# Altium PCB dashcam_cpu_v2.0.PcbDoc (part 3 of 4) (continued)
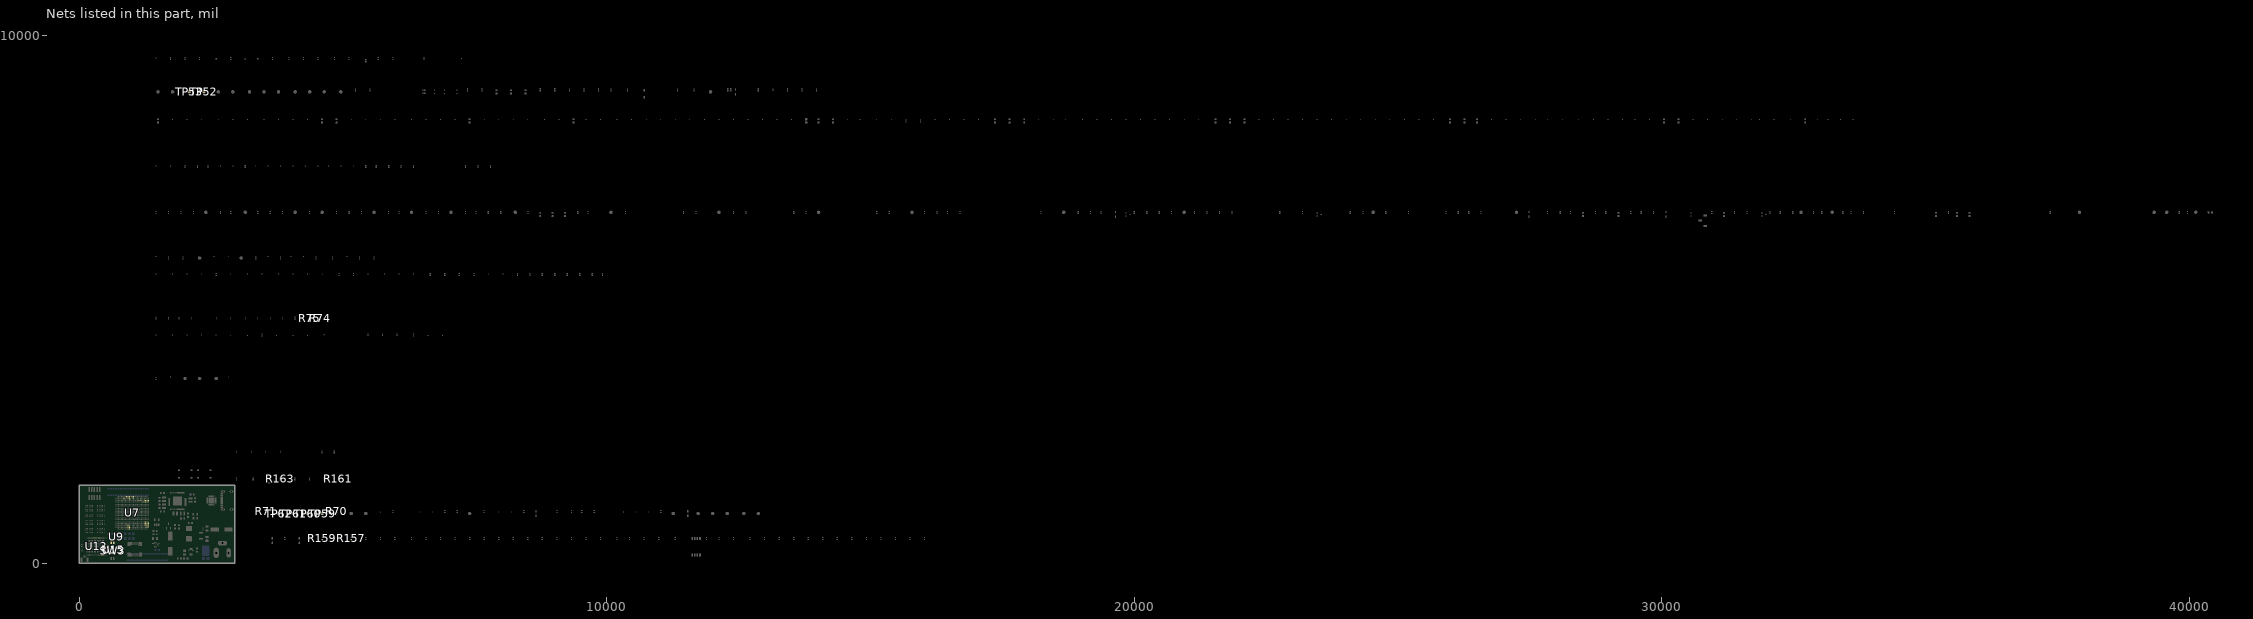
[diagram p3: the nets of this part, all layers, seen from the top]
## Part data (continued)
R100 R101: library part RES_150R_1%_63mW_0402, "SMD Chip Resistor, 150 Ohm, ± 1%, 63 mW, 0402 [1005 Metric], Thick Film, General Purpose", Case Code (Imperial)=0402, Case Code (Metric)=1005, Manufacturer=Bourns, Max Operating Temperature=125°C, Max Power Dissipation=63mW, Min Operating Temperature=-55°C, Package Quantity=1, Power Rating=62.5mW, Resistance=150R, Supplier Part Number 1=CR0402-FX-1500GLFCT-ND, Temperature Coefficient=100ppm/°C, Tolerance=1%, Voltage Rating=50V, Case/Package=0402, Category="Chip SMD Resistors", ComponentLink1Description=https://datasheet.ciiva.com/6549/cr0402-6549772.pdf?src-supplier=Digi-Key, ComponentLink1URL=https://datasheet.ciiva.com/6549/cr0402-6549772.pdf?src-supplier=Digi-Key, ComponentLink2Description=https://datasheet.ciiva.com/6549/cr0402-6549773.pdf?src-supplier=Digi-Key, ComponentLink2URL=https://datasheet.ciiva.com/6549/cr0402-6549773.pdf?src-supplier=Digi-Key, ComponentLink3Description=https://datasheet.ciiva.com/6549/cr0402-6549774.pdf?src-supplier=Digi-Key, ComponentLink3URL=https://datasheet.ciiva.com/6549/cr0402-6549774.pdf?src-supplier=Digi-Key, ComponentLink4Description=https://datasheet.ciiva.com/9120/cr0402-9120460.pdf?src-supplier=Avnet, ComponentLink4URL=https://datasheet.ciiva.com/9120/cr0402-9120460.pdf?src-supplier=Avnet, Contact Plating=Tin, Height=0.016inch, Length=1mm, Manufacturer Part Number=CR0402-FX-1500GLF, Mount="Surface Mount", Number of Terminations=2, Packaging="Tape and Reel", Pricing 1="1=0.1, 10=0.011, 50=0.0064, 100=0.0051, 500=0.00326, 1000=0.00275, 5000=0.0019 (USD)", RoHS=Yes, RoHS Compliant=Yes, Series=CR0402, Stock 1=501068, Supplier 1=Digi-Key, Termination=SMD/SMT, Thickness=356um, Width=0.5mm
R108 R109 R116 R117 R121 R122 R123 R124 R125 R126 R127 R128 R129 R130 R131 R132 R133 R134 R135 R136 R137 R138 R139 R140 R141 R142 R143 R144 R145 R146 R147 R148 R149 R150 R152 R156: library part RES_1K_1%_100mW_0402, "RES SMD 1K OHM 1% 1/10W 0402", Case Code (Imperial)=0402, Case Code (Metric)=1005, Manufacturer=Panasonic, Max Operating Temperature=155°C, Max Power Dissipation=100mW, Min Operating Temperature=-55°C, Package Quantity=1, Resistance=1K, Resistance Tolerance=1%, Resistor Type="Thick Film", Supplier Part Number 1=P1.00KLCT-ND, Temperature Coefficient=100ppm/°C, Voltage Rating=50V, Case/Package=0402, Category="Chip SMD Resistors", Construction=Rectangular, Contact Plating=Tin, Depth=0.5mm, Features="Automotive AEC-Q200", Height=0.35mm, Lead Free="Lead Free", Length=1mm, Manufacturer Part Number=ERJ-2RKF1001X, Military Standard=Not, Mount="Surface Mount", Number of Pins=2, Number of Terminations=2, Packaging="Tape and Reel", Power Rating=100mW, Pricing 1="1=0.1, 10=0.029, 50=0.0162, 100=0.0119, 500=0.00728, 1000=0.00535, 5000=0.00384 (USD)", Reach SVHC Compliant=Yes, RoHS=Yes, RoHS Compliant=Yes, Series=ERJ, Stock 1=2367361, Supplier 1=Digi-Key, Technology="THICK FILM", Termination=SMD/SMT, Tolerance=1%, Voltage Rating (DC)=50V, Width=0.5mm
R114 R115: library part RES_5.1K_1%_100mW_0603, "SMD Chip Resistor, 5.1 kOhm, ± 1%, 100 mW, 0603 [1608 Metric], Thick Film, General Purpose", Case Code (Imperial)=0603, Case Code (Metric)=1608, Manufacturer=Yageo, Max Operating Temperature=155°C, Max Power Dissipation=100mW, Min Operating Temperature=-55°C, Package Quantity=1, Resistance=5.1K, Resistance Tolerance=1%, Resistor Type="Thick Film", Supplier Part Number 1=311-5.10KHRCT-ND, Temperature Coefficient=100ppm/°C, Voltage Rating=50V, Case/Package=0603, Category="Chip SMD Resistors", ComponentLink1Description=https://datasheet.ciiva.com/15189/getdatasheetpartid-326732-15189786.pdf?src-supplier=Verical, ComponentLink1URL=https://datasheet.ciiva.com/15189/getdatasheetpartid-326732-15189786.pdf?src-supplier=Verical, ComponentLink2Description=https://datasheet.ciiva.com/46395/443971-46395016.pdf?src-supplier=Element14, ComponentLink2URL=https://datasheet.ciiva.com/46395/443971-46395016.pdf?src-supplier=Element14, ComponentLink3Description=https://datasheet.ciiva.com/2454/pyu-r-int-thick-7-2454045.pdf?src-supplier=Digi-Key, ComponentLink3URL=https://datasheet.ciiva.com/2454/pyu-r-int-thick-7-2454045.pdf?src-supplier=Digi-Key, ComponentLink4Description=https://datasheet.ciiva.com/2454/pyu-r-int-thick-7-2454046.pdf?src-supplier=Digi-Key, ComponentLink4URL=https://datasheet.ciiva.com/2454/pyu-r-int-thick-7-2454046.pdf?src-supplier=Digi-Key, ComponentLink5Description=https://datasheet.ciiva.com/2454/pyu-r-int-thick-7-2454047.pdf?src-supplier=Digi-Key, ComponentLink5URL=https://datasheet.ciiva.com/2454/pyu-r-int-thick-7-2454047.pdf?src-supplier=Digi-Key, Construction=Rectangular, Depth=0.8mm, Features="Moisture Resistant", Height=0.022inch, Lead Free="Lead Free", Length=0.063inch, Manufacturer Part Number=RC0603FR-075K1L, Military Standard=Not, Number of Pins=2, Number of Terminations=2, Packaging="Tape and Reel", Power Rating=100mW, Pricing 1="1=0.1, 10=0.018, 50=0.0106, 100=0.0088, 500=0.00592, 1000=0.00505 (USD)", Reach SVHC Compliant=No, RoHS=Yes, RoHS Compliant=Yes, Series=RC, Size Code=0603, Stock 1=3197702, Supplier 1=Digi-Key, Termination=SMD/SMT, Tolerance=1%, Voltage Rating (DC)=50V, Width=0.031inch
R120: library part RES_12K_1%_100mW_0402, "Res Thick Film 0402 12K Ohm 1% 0.1W(1/10W) +/-100ppm/C Molded SMD Automotive Punched T/R", Case Code (Imperial)=0402, Case Code (Metric)=1005, Manufacturer=Panasonic, Max Operating Temperature=155°C, Max Power Dissipation=100mW, Min Operating Temperature=-55°C, Package Quantity=1, Resistance=12K, Resistance Tolerance=1%, Resistor Type="Thick Film", Supplier Part Number 1=667-ERJ-2RKF1202X, Temperature Coefficient=100ppm/°C, Voltage Rating=50V, Case/Package=0402, Category="Chip SMD Resistors", ComponentLink1Description=https://datasheet.ciiva.com/7944/aoa0000ce2-7944604.pdf?src-supplier=Element14, ComponentLink1URL=https://datasheet.ciiva.com/7944/aoa0000ce2-7944604.pdf?src-supplier=Element14, ComponentLink2Description=https://datasheet.ciiva.com/7944/426256-7944939.pdf?src-supplier=Element14, ComponentLink2URL=https://datasheet.ciiva.com/7944/426256-7944939.pdf?src-supplier=Element14, ComponentLink3Description=https://datasheet.ciiva.com/46373/1678782-46373164.pdf?src-supplier=Element14, ComponentLink3URL=https://datasheet.ciiva.com/46373/1678782-46373164.pdf?src-supplier=Element14, ComponentLink4Description=https://datasheet.ciiva.com/22673/1678782-22673676.pdf?src-supplier=Element14, ComponentLink4URL=https://datasheet.ciiva.com/22673/1678782-22673676.pdf?src-supplier=Element14, ComponentLink5Description=https://datasheet.ciiva.com/22687/1678782-22687405.pdf?src-supplier=Element14, ComponentLink5URL=https://datasheet.ciiva.com/22687/1678782-22687405.pdf?src-supplier=Element14, ComponentLink6Description=https://datasheet.ciiva.com/46373/1678782-46373165.pdf?src-supplier=Element14, ComponentLink6URL=https://datasheet.ciiva.com/46373/1678782-46373165.pdf?src-supplier=Element14, Construction=Rectangular, Contact Plating=Tin, Depth=0.5mm, Features="Automotive AEC-Q200", Height=0.35mm, Lead Free=5697LeadFree, Length=1mm, Manufacturer Part Number=ERJ-2RKF1202X, Military Standard=Not, Mount="Surface Mount", Number of Pins=2, Number of Terminations=2, Packaging="Tape and Reel", Power Rating=100mW, Pricing 1="1=0.1, 10=0.017, 50=0.017, 100=0.008, 1000=0.006, 10000=0.003 (USD)", Reach SVHC Compliant=No, RoHS=Yes, RoHS Compliant=Yes, Series=ERJ, Size Code=0402, Stock 1=301526, Supplier 1=Mouser, Technology="THICK FILM", Termination=SMD/SMT, Tolerance=1%, Voltage Rating (DC)=50V, Width=0.5mm
R151 R153 R154 R155: library part RES_4.7K_1%_100mW_0402, "Res Thick Film 0402 4.7K Ohm 1% 0.1W ±100ppm/°C Molded SMD Punched Carrier T/R", Case Code (Imperial)=0402, Case Code (Metric)=1005, Manufacturer=Panasonic, Max Operating Temperature=155°C, Min Operating Temperature=-55°C, Package Quantity=10000, Power Rating=100mW, Resistance=4.7K, Supplier Part Number 1=P4.70KLCT-ND, Temperature Coefficient=100ppm/°C, Tolerance=1%, Voltage Rating=50V, Category="Chip SMD Resistors", ComponentLink1Description=https://datasheet.ciiva.com/30053/aoa0000ce2-30053990.pdf?src-supplier=Onlinecomponents.com, ComponentLink1URL=https://datasheet.ciiva.com/30053/aoa0000ce2-30053990.pdf?src-supplier=Onlinecomponents.com, ComponentLink2Description=https://datasheet.ciiva.com/7830/aoa0000ce2-7830727.pdf?src-supplier=Element14, ComponentLink2URL=https://datasheet.ciiva.com/7830/aoa0000ce2-7830727.pdf?src-supplier=Element14, ComponentLink3Description=https://datasheet.ciiva.com/22781/1678782-22781576.pdf?src-supplier=Farnell, ComponentLink3URL=https://datasheet.ciiva.com/22781/1678782-22781576.pdf?src-supplier=Farnell, ComponentLink4Description=https://datasheet.ciiva.com/22667/1678782-22667886.pdf?src-supplier=Element14, ComponentLink4URL=https://datasheet.ciiva.com/22667/1678782-22667886.pdf?src-supplier=Element14, ComponentLink5Description=https://datasheet.ciiva.com/22723/1678782-22723903.pdf?src-supplier=Element14, ComponentLink5URL=https://datasheet.ciiva.com/22723/1678782-22723903.pdf?src-supplier=Element14, Height=0.35mm, Lead Free="Lead Free", Length=1mm, Manufacturer Part Number=ERJ-2RKF4701X, Packaging="Cut Tape", Pricing 1="1=0.1, 10=0.024, 50=0.015, 100=0.0125, 500=0.00848, 1000=0.00731, 5000=0.00531 (USD)", RoHS=Yes, RoHS Compliant=Yes, Series=ERJ-2Rx, Stock 1=2269675, Supplier 1=Digi-Key, Technology="THICK FILM", Termination=SMD/SMT, Voltage Rating (DC)=50V, Weight=0.000388oz, Width=0.5mm
S1 S2: library part SWITCH_NO_SPST_0.05A, "Switch Tactile N.O. SPST Round Button Gull Wing 0.05A 12VDC 200000Cycles 2.55N SMD T/R", Manufacturer="ITT C&K", Supplier Part Number 1=CKN12221-6-ND, Category=Uncategorized, Manufacturer Part Number=PTS526SK15SMTR2LFS, Pricing 1="1=0.12, 10=0.12, 25=0.114, 100=0.1035, 250=0.09732, 500=0.08904, 1000=0.07454 (USD)", RoHS=No, Stock 1=382158, Supplier 1=Digi-Key
SW1: library part SWITCH_SPDT_300mA_6V_JS102011JCQN, "SWITCH SLIDE SPDT 300MA 6V", Manufacturer="ITT C&K", Max Operating Temperature=85°C, Min Operating Temperature=-40°C, Supplier Part Number 1=CKN10721CT-ND, Voltage Rating (DC)=6V, Actuator Length=2mm, Actuator Material=Nylon,Polyamide,PA46, Actuator Type=Standard, Category="Slide Switches", ComponentLink1Description=http://www.farnell.com/datasheets/2674788.pdf?src-supplier=Farnell, ComponentLink1URL=http://www.farnell.com/datasheets/2674788.pdf?src-supplier=Farnell, ComponentLink2Description=http://www.farnell.com/datasheets/2674788.pdf?src-supplier=Element14, ComponentLink2URL=http://www.farnell.com/datasheets/2674788.pdf?src-supplier=Element14, ComponentLink3Description=https://datasheet.octopart.com/JS102011JCQN-C%26K-Components-datasheet-67873653.pdf?src-supplier=Newark, ComponentLink3URL=https://datasheet.octopart.com/JS102011JCQN-C%26K-Components-datasheet-67873653.pdf?src-supplier=Newark, ComponentLink4Description=http://www.farnell.com/datasheets/2674788.pdf?src-supplier=Newark, ComponentLink4URL=http://www.farnell.com/datasheets/2674788.pdf?src-supplier=Newark, ComponentLink5Description=https://www.ckswitches.com/media/1422/js.pdf?src-supplier=Digikey, ComponentLink5URL=https://www.ckswitches.com/media/1422/js.pdf?src-supplier=Digikey, ComponentLink6Description=https://datasheet.octopart.com/JS102011JCQN-C%26K-Components-datasheet-138126065.pdf?src-supplier=TME, ComponentLink6URL=https://datasheet.octopart.com/JS102011JCQN-C%26K-Components-datasheet-138126065.pdf?src-supplier=TME, Contact Material="Copper Alloy", Contact Plating=Silver, Electrical Life=5000Cycles, Manufacturer Part Number=JS102011JCQN, Mount="Surface Mount", Packaging="Cut Tape", Pricing 1="1=0.94, 10=0.903, 25=0.8444, 100=0.7331, 250=0.66708, 500=0.61844 (USD)", RoHS=Yes, Series=JS, Stock 1=40877, Supplier 1=Digikey, Switch Function=On-On, Switch Travel=2mm, Throw Configuration=SPDT
SW2: library part SWITCH_DIP_4P_25mA_218-4LPSTR, "Switch DIP ON OFF SPST 4 Recessed Slide 0.025A 24VDC Gull Wing 1000Cycles 1.27mm SMD T/R", Manufacturer=CTS, Max Current Rating=25mA, Max Operating Temperature=85°C, Max Voltage Rating (DC)=24V, Min Operating Temperature=-55°C, Package Quantity=2000, Supplier Part Number 1=CT3110CT-ND, Actuator Type="Slide (Standard)", Category="DIP Switches", ComponentLink1Description=https://datasheet.ciiva.com/8676/218-8676896.pdf?src-supplier=Avnet, ComponentLink1URL=https://datasheet.ciiva.com/8676/218-8676896.pdf?src-supplier=Avnet, ComponentLink2Description=https://datasheet.ciiva.com/8082/218-8082342.pdf?src-supplier=Avnet, ComponentLink2URL=https://datasheet.ciiva.com/8082/218-8082342.pdf?src-supplier=Avnet, ComponentLink3Description=https://datasheet.ciiva.com/16303/218-16303941.pdf?src-supplier=Future+Electronics, ComponentLink3URL=https://datasheet.ciiva.com/16303/218-16303941.pdf?src-supplier=Future+Electronics, ComponentLink4Description=https://datasheet.ciiva.com/15184/getdatasheetpartid-141001-15184860.pdf?src-supplier=Verical, ComponentLink4URL=https://datasheet.ciiva.com/15184/getdatasheetpartid-141001-15184860.pdf?src-supplier=Verical, Contact Material=Copper, Contact Plating=Gold, Depth=8.44mm, Electrical Life=1000Cycles, Lead Free="Lead Free", Length=6.25mm, Manufacturer Part Number=218-4LPSTR, Mechanical Life=1000Cycles, Mount="Surface Mount", Number of Positions=4, Orientation=Straight, Packaging="Tape and Reel", Pricing 1="1=1.08, 10=1.041, 25=0.978, 100=0.8449, 250=0.76996, 500=0.71586, 1000=0.66592 (USD)", Radiation Hardening=No, RoHS=Yes, RoHS Compliant=Yes, Series=218, Stock 1=12605, Supplier 1=Digi-Key, Termination="Gull Wing", Throw Configuration=SPST, Voltage Rating (DC)=24V, Washable=Yes
SW3: library part SWITCH_DIP_2P_25mA_218-2LPSTR, "Switch DIP ON OFF SPST 2 Recessed Slide 0.025A 24VDC Gull Wing 1000Cycles 1.27mm SMD T/R", Current Rating=25mA, Manufacturer=CTS, Max Operating Temperature=85°C, Min Operating Temperature=-55°C, Package Quantity=2000, Supplier Part Number 1=CT3108CT-ND, Voltage Rating (DC)=24V, Actuator Type="Slide (Standard)", Category="DIP Switches", ComponentLink1Description=https://datasheet.ciiva.com/2865/218-2865152.pdf?src-supplier=Digi-Key, ComponentLink1URL=https://datasheet.ciiva.com/2865/218-2865152.pdf?src-supplier=Digi-Key, ComponentLink2Description=https://datasheet.ciiva.com/29890/218-29890939.pdf?src-supplier=Avnet, ComponentLink2URL=https://datasheet.ciiva.com/29890/218-29890939.pdf?src-supplier=Avnet, ComponentLink3Description=https://datasheet.ciiva.com/15184/getdatasheetpartid-224320-15184939.pdf?src-supplier=Verical, ComponentLink3URL=https://datasheet.ciiva.com/15184/getdatasheetpartid-224320-15184939.pdf?src-supplier=Verical, Contact Material=Copper, Contact Plating=Gold, Depth=8.44mm, Electrical Life=1000Cycles, Lead Free="Lead Free", Length=0.146inch, Manufacturer Part Number=218-2LPSTR, Max Current Rating=25mA, Mount="Surface Mount", Number of Positions=2, Orientation=Straight, Packaging="Tape and Reel", Pitch=0.05inch, Pricing 1="1=0.97, 10=0.93, 25=0.8692, 100=0.7548, 250=0.6868, 500=0.6367, 1000=0.59021 (USD)", Radiation Hardening=No, RoHS=Yes, RoHS Compliant=Yes, Series=218, Stock 1=31125, Supplier 1=Digi-Key, Termination="Gull Wing", Throw Configuration=SPST, Washable=Yes
TP1 TP2 TP3 TP4 TP5 TP6 TP7 TP8 TP9 TP10 TP11 TP12 TP13 TP14 TP15 TP16 TP17 TP18 TP19 TP20 TP21 TP22 TP23 TP24 TP25 TP26 TP27 TP28 TP29 TP30 TP31 TP32 TP33 TP34 TP35 TP36 TP42 TP43 TP44 TP45 TP46 TP47 TP48 TP49 TP50 TP51 TP52 TP53 TP54 TP55 TP57 TP58 TP59 TP60 TP61 TP62: library part TP_PAD_SMD_Round, "Test Point, SMD pad, round, 1.5mm, 1.6mm, 3mm diameter"
TP37 TP38 TP39 TP40 TP41 TP56: library part TP_PAD_SMD_SMALL, "Test Point, SMD pad, round, 1.5mm, 1.6mm, 3mm diameter"
U1: library part IC_REG_BUCK_26V_8A_MP8759GD-Z, "Tape & Reel (TR) Active Step-Down Buck DC to DC switching regulator 26V 8A 700kHz -40C~125C TJ", Case/Package=QFN, Manufacturer="Monolithic Power Systems", Max Input Voltage=26V, Max Operating Temperature=125°C, Max Output Current=10A, Min Input Voltage=4.5V, Min Operating Temperature=-40°C, Output Voltage=600mV, Supplier Part Number 1=1589-1736-1-ND, Switching Frequency=700kHz, Category="Voltage Regulators - Switching", ComponentLink1Description=https://www.monolithicpower.com/pub/media/document/MP8759_r1.1.pdf?src-supplier=Digi-Key, ComponentLink1URL=https://www.monolithicpower.com/pub/media/document/MP8759_r1.1.pdf?src-supplier=Digi-Key, ComponentLink2Description=https://datasheet.octopart.com/MP8759GD-Z-Monolithic-Power-Systems-datasheet-104200629.pdf?src-supplier=SHENGYU+ELECTRONICS, ComponentLink2URL=https://datasheet.octopart.com/MP8759GD-Z-Monolithic-Power-Systems-datasheet-104200629.pdf?src-supplier=SHENGYU+ELECTRONICS, ComponentLink3Description=https://datasheet.octopart.com/MP8759GD-Z-Monolithic-Power-Systems-datasheet-155982220.pdf?src-supplier=Monolithic+Power+Systems, ComponentLink3URL=https://datasheet.octopart.com/MP8759GD-Z-Monolithic-Power-Systems-datasheet-155982220.pdf?src-supplier=Monolithic+Power+Systems, Contact Plating=Tin,Matte, Manufacturer Part Number=MP8759GD-Z, Mount="Surface Mount", Number of Outputs=1, Number of Pins=14, Operating Supply Voltage=26V, Output Type=Adjustable, Pricing 1="1=2.71, 10=2.436, 25=2.2976, 100=1.9577, 250=1.8382, 500=1.60842, 1000=1.3327, 2500=1.24078 (USD)", RoHS=Yes, RoHS Compliant=Yes, Stock 1=455, Supplier 1=Digi-Key
U2: library part IC_REG_LDO_5.5V_0.15A_LDCL015MR, "LDO Regulator Pos 0.8V to 5.5V 0.15A 5-Pin SOT-23 T/R", Case/Package=SOT-23, Dropout Voltage=50mV, Manufacturer=STMicroelectronics, Max Input Voltage=5.5V, Max Operating Temperature=125°C, Max Output Current=150mA, Max Output Voltage=5.4V, Min Input Voltage=1.8V, Min Operating Temperature=-40°C, Min Output Voltage=800mV, Power Supply Rejection Ratio (PSRR)=51dB, Quiescent Current=160uA, Supplier Part Number 1=497-12085-1-ND, Accuracy=2%, Category="Voltage Regulators - Linear", ComponentLink1Description=https://datasheet.ciiva.com/22651/1827871-22651045.pdf?src-supplier=Element14, ComponentLink1URL=https://datasheet.ciiva.com/22651/1827871-22651045.pdf?src-supplier=Element14, ComponentLink2Description=https://datasheet.ciiva.com/4885/dm00037343-99499-4885392.pdf?src-supplier=Mouser, ComponentLink2URL=https://datasheet.ciiva.com/4885/dm00037343-99499-4885392.pdf?src-supplier=Mouser, ComponentLink3Description=https://datasheet.ciiva.com/41439/001184664-da-01-en-ic-reg-ldo-adj-0-ldcl015mr-sot-23-5-stm-41439787.pdf?src-supplier=Conrad, ComponentLink3URL=https://datasheet.ciiva.com/41439/001184664-da-01-en-ic-reg-ldo-adj-0-ldcl015mr-sot-23-5-stm-41439787.pdf?src-supplier=Conrad, ComponentLink4Description=https://datasheet.ciiva.com/2045/dm00037343-2045558.pdf?src-supplier=Digi-Key, ComponentLink4URL=https://datasheet.ciiva.com/2045/dm00037343-2045558.pdf?src-supplier=Digi-Key, ComponentLink5Description=https://datasheet.ciiva.com/2045/dm00037343-2045559.pdf?src-supplier=Digi-Key, ComponentLink5URL=https://datasheet.ciiva.com/2045/dm00037343-2045559.pdf?src-supplier=Digi-Key, ComponentLink6Description=https://datasheet.ciiva.com/2045/dm00037343-2045560.pdf?src-supplier=Digi-Key, ComponentLink6URL=https://datasheet.ciiva.com/2045/dm00037343-2045560.pdf?src-supplier=Digi-Key, Height=1.3mm, Lead Free="Lead Free", Length=2.95mm, Manufacturer Part Number=LDCL015MR, Mount="Surface Mount", Number of Outputs=1, Number of Pins=5, Number of Regulators=1, Output Configuration=Positive, Output Current=150mA, Output Type=Adjustable, Output Voltage=800mV, Packaging="Tape and Reel", Polarity=Positive, Pricing 1="1=1.51, 10=1.351, 25=1.282, 100=1.0532, 250=0.98452, 500=0.87004, 1000=0.68688 (USD)", Reach SVHC Compliant=No, Reference Voltage=800mV, RoHS=Yes, RoHS Compliant=Yes, Series=-, Stock 1=49636, Supplier 1=Digi-Key, Width=1.6mm
U3: library part IC_VOLTAGE_SUPERVISOR_UM805RE, "Supervisor Open Drain or Open Collector 1 Channel SOT-143", Manufacturer="Union Semiconductor International Limited", Category="Integrated Circuit", ComponentLink1Description="Suplier link", ComponentLink1URL=https://www.digikey.com/en/products/detail/union-semiconductor-international-limited/UM805RE/21265144?s=N4IgTCBcDaIKoFkAcAGArAJQKIgLoF8g, Manufacturer Part Number=UM805RE
U4 U5: library part IC_REG_BUCK_0V9_4A_MP2147GD-P, "IC Reg Buck Adjustable 4A 12QFN", Case/Package=QFN, Manufacturer="Monolithic Power Systems", Max Input Voltage=5.5V, Max Operating Temperature=125°C, Max Output Current=4A, Min Input Voltage=2.8V, Min Operating Temperature=-40°C, Min Output Voltage=600mV, Operating Supply Current=40uA, Package Quantity=500, Supplier Part Number 1=1589-MP2147GD-PCT-ND, Switching Frequency=1.2MHz, Category="Voltage Regulators - Switching", ComponentLink1Description=http://www.mouser.com/ds/2/277/MP2147_r1.1-523188.pdf?src-supplier=Mouser, ComponentLink1URL=http://www.mouser.com/ds/2/277/MP2147_r1.1-523188.pdf?src-supplier=Mouser, ComponentLink2Description=https://www.monolithicpower.com/pub/media/document/MP2147_r1.1.pdf?src-supplier=Digi-Key, ComponentLink2URL=https://www.monolithicpower.com/pub/media/document/MP2147_r1.1.pdf?src-supplier=Digi-Key, ComponentLink3Description=http://www.monolithicpower.com/DesktopModules/DocumentManage/API/Document/GetDocument?id=2970&src-supplier=Avnet, ComponentLink3URL=http://www.monolithicpower.com/DesktopModules/DocumentManage/API/Document/GetDocument?id=2970&src-supplier=Avnet, ComponentLink4Description=https://datasheet.octopart.com/MP2147GD-P-Monolithic-Power-Systems-datasheet-155982077.pdf?src-supplier=Monolithic+Power+Systems, ComponentLink4URL=https://datasheet.octopart.com/MP2147GD-P-Monolithic-Power-Systems-datasheet-155982077.pdf?src-supplier=Monolithic+Power+Systems, Manufacturer Part Number=MP2147GD-P, Max Output Voltage=5.5V, Mount="Surface Mount", Number of Outputs=1, Number of Pins=12, Operating Supply Voltage=5.5V, Output Configuration=Positive, Output Current=4A, Output Type=Adjustable, Output Voltage=5.5V, Packaging="Tape and Reel", Pricing 1="1=5.09, 10=4.567, 25=4.3176, 100=3.742, 250=3.55016 (USD)", Radiation Hardening=No, RoHS=Yes, Series=-, Stock 1=1866, Supplier 1=Digi-Key, Synchronous Rectifier=Yes, Weight=0.000776oz
U6: library part IC_PMIC_NXP_MC34PF4210A1ES, "Step Up DC-DC Converter with LDO Regulator 13-OUT 56-Pin QFN Tray", Manufacturer="NXP Semiconductors", Supplier Part Number 1=771-MC34PF4210A1ES, Category="Power Management ICs", Manufacturer Part Number=MC34PF4210A1ES, Pricing 1="1=10.48, 10=9.47, 25=8.72, 50=8.72, 100=7.87, 260=7.34, 520=6.84, 1000=6.84, 1040=6.18, 10000=6.18 (USD)", RoHS=Yes, RoHS Compliant=Yes, Stock 1=24, Supplier 1=Mouser
U7: library part IC_MPU_ARM_1.5GHZ_MIMX8MD6DVAJZAB, "i.MX 8M: Cortex-A53 up to 1.5GHz and Cortex-M4 / TRAY TRAY MULTIPLE DP BAKEABLE RoHS Compliant: Yes", Manufacturer="NXP Semiconductors", Supplier Part Number 1=568-14717-ND, Category=Microprocessors, Manufacturer Part Number=MIMX8MD6DVAJZAB, Pricing 1="1=56.07, 10=46.184, 25=43.716, 90=41.175 (USD)", RoHS=Yes, RoHS Compliant=Yes, Stock 1=162, Supplier 1=Digikey
U8 U16: library part IC_VOLTAGE_SUPERVISOR_UM803RS, "3-Pin Microprocessor Reset Circuits", Manufacturer="Union Semiconductor", Manufacturer Part Number=UM803RS, Pricing 1="1=0.1121 (USD)", RoHS=No, Stock 1=2840, Supplier 1="Arrow Electronics", Supplier Part Number 1=UM803RS
U9: library part IC_LEVEL_TRASLATOR_NTS0104GU12,115, "NTS0104 Series 50 Mbps Dual Supply 3-ST O-DRN Translating Transceiver- XQFN-12", High Level Output Current=-20uA, Low Level Output Current=1mA, Manufacturer="NXP Semiconductors", Max Operating Temperature=125°C, Max Power Dissipation=250mW, Max Supply Voltage=5.5V, Min Operating Temperature=-40°C, Min Supply Voltage=1.65V, Package Quantity=1, Quiescent Current=45uA, Supplier Part Number 1=568-8408-1-ND, Category="Voltage Level Shifters", ComponentLink1Description=https://datasheet.ciiva.com/1899/nts0104-1899088.pdf?src-supplier=Digikey, ComponentLink1URL=https://datasheet.ciiva.com/1899/nts0104-1899088.pdf?src-supplier=Digikey, ComponentLink2Description=https://datasheet.ciiva.com/4834/nts0104-92130-4834865.pdf?src-supplier=Mouser, ComponentLink2URL=https://datasheet.ciiva.com/4834/nts0104-92130-4834865.pdf?src-supplier=Mouser, ComponentLink3Description=https://datasheet.ciiva.com/1899/nts0104-1899089.pdf?src-supplier=Digikey, ComponentLink3URL=https://datasheet.ciiva.com/1899/nts0104-1899089.pdf?src-supplier=Digikey, ComponentLink4Description=https://datasheet.ciiva.com/1899/nts0104-1899090.pdf?src-supplier=Digikey, ComponentLink4URL=https://datasheet.ciiva.com/1899/nts0104-1899090.pdf?src-supplier=Digikey, ComponentLink5Description=https://datasheet.ciiva.com/8244/nts0104-8244168.pdf?src-supplier=Avnet, ComponentLink5URL=https://datasheet.ciiva.com/8244/nts0104-8244168.pdf?src-supplier=Avnet, Data Rate=50Mbps, Lead Free="Lead Free", Logic Function=Translator, Manufacturer Part Number=NTS0104GU12,115, Mount="Surface Mount", Number of Bits=4, Number of Channels=4, Number of Pins=12, Output Type=Voltage, Packaging="Tape and Reel", Pricing 1="1=1.16, 10=1.034, 25=0.982, 100=0.8065, 250=0.75396, 500=0.66628, 1000=0.52601 (USD)", Propagation Delay=4.4ns, RoHS=Yes, RoHS Compliant=Yes, Series=-, Stock 1=126626, Supplier 1=Digikey, Turn-On Delay Time=5.8ns
U10: library part IC_DRAM_32G_MT53E1G32D2FW-046WT:A, "LPDDR4 32G 1GX32 FBGA DDP", Manufacturer="Micron Technology", Supplier Part Number 1=557-MT53E1G32D2FW-046WT:A-ND, Manufacturer Part Number=MT53E1G32D2FW-046WT:A, Pricing 1="1=26.73, 10=24.892, 25=24.6252, 50=24.0178, 100=21.0842, 250=20.37296, 500=19.82474 (USD)", RoHS=No, Stock 1=1349, Supplier 1=Digikey
U11: library part IC_MEMORY_eMMC_SDINBDG4-32G-I1, "Inand 7250 32GB Industrial Wide Temp -25C+85C EMMC5.1 HS400", Manufacturer=SanDisk, Supplier Part Number 1=467-SDINBDG4-32G-I1, Category=Uncategorized, Manufacturer Part Number=SDINBDG4-32G-I1, Pricing 1="1=26.46, 10=24.64, 50=23.78, 100=20.87, 1000=20.16, 10000=20.16 (USD)", RoHS=No, RoHS Compliant=No, Stock 1=1018, Supplier 1=Mouser
U12: library part IC_USB_UART_CP2105-F01-GM, "IC SGL USB-DL UART BRIDGE 24QFN", Case/Package=QFN, Manufacturer="Silicon Labs", Max Operating Temperature=85°C, Max Supply Voltage=3.6V, Min Operating Temperature=-40°C, Min Supply Voltage=3V, Operating Supply Current=17mA, Operating Supply Voltage=3.3V, Package Quantity=91, Supplier Part Number 1=336-2009-5-ND, Category="USB Interface ICs", ComponentLink1Description=https://datasheet.ciiva.com/25624/0900766b811077c5-25624105.pdf?src-supplier=Rs, ComponentLink1URL=https://datasheet.ciiva.com/25624/0900766b811077c5-25624105.pdf?src-supplier=Rs, ComponentLink2Description=https://datasheet.ciiva.com/1784/cp2105-1784466.pdf?src-supplier=Digi-Key, ComponentLink2URL=https://datasheet.ciiva.com/1784/cp2105-1784466.pdf?src-supplier=Digi-Key, ComponentLink3Description=https://datasheet.ciiva.com/3148/cp2105-3148817.pdf?src-supplier=Avnet, ComponentLink3URL=https://datasheet.ciiva.com/3148/cp2105-3148817.pdf?src-supplier=Avnet, ComponentLink4Description=https://datasheet.ciiva.com/26815/getdatasheetpartid-358512-26815926.pdf?src-supplier=Verical, ComponentLink4URL=https://datasheet.ciiva.com/26815/getdatasheetpartid-358512-26815926.pdf?src-supplier=Verical, Contact Plating=Tin,Matte, Data Rate=12Mbps, Height=0.75mm, Length=4mm, Manufacturer Part Number=CP2105-F01-GM, Number of Channels=1, Number of Pins=24, Number of Transceivers=1, Packaging=Rail/Tube, Pricing 1="1=5.17, 10=4.639, 25=4.386, 100=3.8011, 250=3.6062, 500=3.23584, 1000=2.72902, 2500=2.59257 (USD)", Radiation Hardening=No, RoHS=Yes, RoHS Compliant=Yes, Series=-, Stock 1=3004, Supplier 1=Digi-Key, Weight=0.001368oz, Width=4mm
U13: library part IC_WIFI_BLE_LBEE5QD1ZM-572, "2.4 to 5.825GHz Bluetooth WiFi 802.11a/b/g/-c, Bluetooth v5.1 Transceiver Module", Manufacturer=Murata, Manufacturer_Name="Murata Electronics", Mouser Part Number=81-LBEE5QD1ZM-572, Arrow Part Number=LBEE5QD1ZM-572, Arrow Price/Stock=https://www.arrow.com/en/products/lbee5qd1zm-572/murata-manufacturing?region=nac, Datasheet Link=https://pl.mouser.com/datasheet/2/281/1/murata_type1zm-2006876.pdf, Height=1.345mm, Manufacturer Part Number=LBEE5QD1ZM-572, Manufacturer_Part_Number=LBEE5QD1ZM-572, Mouser Price/Stock=https://www.mouser.co.uk/ProductDetail/Murata-Electronics/LBEE5QD1ZM-572?qs=stqOd1AaK79ZX7AUUzAj%2FQ%3D%3D, Pricing="1=17.82, 10=16.11, 25=14.82, 50=14.48, 100=13.43, 250=12.74, 500=11.95, 1000=11.35, 10000=11.35 (USD)", RoHS=No, Stock=926, Supplier=Mouser, Supplier Part Number=81-LBEE5QD1ZM-572
U14: library part IC_REG_LDO_1.8V_250mA_LP5907UVX-1.8/NOPB, "Low Dropout Regulators(LDO) Positive Fixed 200mV @ 250mA 5.5V 1.8V 250mA DSBGA-4 RoHS", Case/Package=SMD/SMT, Dropout Voltage=50mV, Manufacturer="Texas Instruments", Max Input Voltage=5.5V, Max Operating Temperature=125°C, Max Output Current=250mA, Max Supply Current=425uA, Min Input Voltage=2.2V, Min Operating Temperature=-40°C, Min Output Voltage=1.8V, Package Quantity=3000, Power Supply Rejection Ratio (PSRR)=60dB, Quiescent Current=25uA, Supplier Part Number 1=296-35634-1-ND, Accuracy=2%, Category="Voltage Regulators - Linear", ComponentLink1Description=https://datasheet.ciiva.com/6597/lp5907-6597398.pdf?src-supplier=Digikey, ComponentLink1URL=https://datasheet.ciiva.com/6597/lp5907-6597398.pdf?src-supplier=Digikey, ComponentLink2Description=https://datasheet.ciiva.com/14278/lp5907-14278557.pdf?src-supplier=Avnet, ComponentLink2URL=https://datasheet.ciiva.com/14278/lp5907-14278557.pdf?src-supplier=Avnet, Lead Free="Lead Free", Manufacturer Part Number=LP5907UVX-1.8/NOPB, Mount="Surface Mount", Number of Outputs=1, Number of Regulators=1, Output Configuration=Positive, Output Current=250mA, Output Type=Fixed, Output Voltage=1.8V, Packaging="Tape and Reel", Polarity=Positive, Pricing 1="1=0.66, 10=0.564, 25=0.5268, 100=0.4214, 250=0.39128, 500=0.33108, 1000=0.25583 (USD)", Radiation Hardening=No, RoHS=Yes, RoHS Compliant=Yes, Series=-, Stock 1=47909, Supplier 1=Digikey
U15: library part IC_BUFFER_2CH_SN74LVC2G125DCUT, "Buffer/Line Driver 2-CH Non-Inverting 3-ST CMOS 8-Pin VSSOP T/R", Case/Package=VSSOP, High Level Output Current=-32mA, Low Level Output Current=32mA, Manufacturer="Texas Instruments", Max Operating Temperature=125°C, Max Supply Voltage=5.5V, Min Operating Temperature=-40°C, Min Supply Voltage=1.65V, Package Quantity=250, Quiescent Current=10uA, Supplier Part Number 1=296-26616-1-ND, Category="Buffers, Drivers and Transceivers", ComponentLink1Description=https://datasheet.ciiva.com/4788/sn74lvc2g125-50903-4788801.pdf?src-supplier=Mouser, ComponentLink1URL=https://datasheet.ciiva.com/4788/sn74lvc2g125-50903-4788801.pdf?src-supplier=Mouser, ComponentLink2Description=https://datasheet.ciiva.com/23785/1633705-23785564.pdf?src-supplier=Newark, ComponentLink2URL=https://datasheet.ciiva.com/23785/1633705-23785564.pdf?src-supplier=Newark, ComponentLink3Description=https://datasheet.ciiva.com/15094/getdatasheetpartid-40911-15094151.pdf?src-supplier=Verical, ComponentLink3URL=https://datasheet.ciiva.com/15094/getdatasheetpartid-40911-15094151.pdf?src-supplier=Verical, ComponentLink4Description=https://datasheet.ciiva.com/41455/001017176-da-01-en-ic-bus-buf-sn74lvc2g125dcut-vssop-8-tid-41455955.pdf?src-supplier=Conrad, ComponentLink4URL=https://datasheet.ciiva.com/41455/001017176-da-01-en-ic-bus-buf-sn74lvc2g125dcut-vssop-8-tid-41455955.pdf?src-supplier=Conrad, ComponentLink5Description=https://datasheet.ciiva.com/7744/1781747-7744025.pdf?src-supplier=Element14, ComponentLink5URL=https://datasheet.ciiva.com/7744/1781747-7744025.pdf?src-supplier=Element14, ComponentLink6Description=https://datasheet.ciiva.com/1841/sn74lvc2g125-1841967.pdf?src-supplier=Digi-Key, ComponentLink6URL=https://datasheet.ciiva.com/1841/sn74lvc2g125-1841967.pdf?src-supplier=Digi-Key, ComponentLink7Description=https://datasheet.ciiva.com/1841/sn74lvc2g125-1841966.pdf?src-supplier=Digi-Key, ComponentLink7URL=https://datasheet.ciiva.com/1841/sn74lvc2g125-1841966.pdf?src-supplier=Digi-Key, ComponentLink8Description=https://datasheet.ciiva.com/1841/sn74lvc2g125-1841968.pdf?src-supplier=Digi-Key, ComponentLink8URL=https://datasheet.ciiva.com/1841/sn74lvc2g125-1841968.pdf?src-supplier=Digi-Key, Lead Free="Lead Free", Logic Function=Buffer,Inverting, Manufacturer Part Number=SN74LVC2G125DCUT, Mount="Surface Mount", Number of Bits=2, Number of Bits per Element=1, Number of Channels=2, Number of Elements=2, Number of Gates=2, Number of Input Lines=2, Number of Inputs=2, Number of Output Lines=2, Number of Outputs=2, Number of Pins=8, Output Type=3-STATE, Packaging="Tape and Reel", Polarity=Non-Inverting, Pricing 1="1=1.26, 10=1.126, 25=1.0688, 100=0.8781 (USD)", Propagation Delay=3.7ns, Radiation Hardening=No, Reach SVHC Compliant=No, RoHS=Yes, RoHS Compliant=Yes, Series=74LVC, Stock 1=3865, Supplier 1=Digi-Key, Technology=CMOS, Termination=SMD/SMT, Turn-On Delay Time=11.6ns
Y1: library part CRYSTAL_ABRACON_32.768KHZ, "OSC XO 32.768KHZ CMOS SMD", Frequency=32.768KHz, Manufacturer=Abracon, Supplier Part Number 1=535-12059-1-ND, Category=Oscillators, ComponentLink1Description=https://datasheet.ciiva.com/15010/ash7kw-15010563.pdf?src-supplier=Digi-Key, ComponentLink1URL=https://datasheet.ciiva.com/15010/ash7kw-15010563.pdf?src-supplier=Digi-Key, ComponentLink2Description=https://datasheet.ciiva.com/30037/ash7kw-30037881.pdf?src-supplier=Avnet, ComponentLink2URL=https://datasheet.ciiva.com/30037/ash7kw-30037881.pdf?src-supplier=Avnet, ComponentLink3Description=https://datasheet.ciiva.com/15010/ash7kw-15010565.pdf?src-supplier=Digi-Key, ComponentLink3URL=https://datasheet.ciiva.com/15010/ash7kw-15010565.pdf?src-supplier=Digi-Key, Manufacturer Part Number=ASH7KW-32.768kHz-L-T, Pricing 1="1=2.4, 10=2.343, 50=2.231, 100=1.9521, 500=1.89636 (USD)", RoHS=Yes, Stock 1=174, Supplier 1=Digi-Key
Y2: library part CRYSTAL_ECS_25MHZ_ECS-250-18-33-JTM-TR, "Crystal 25MHz ±20ppm (Tol) ±20ppm (Stability) 18pF FUND 40Ohm 4-Pin Mini-CSMD T/R", Frequency=25MHz, Manufacturer="ECS International", Supplier Part Number 1=XC2964CT-ND, ComponentLink1Description=http://www.ecsxtal.com/store/pdf/ecx-32.pdf?src-supplier=Digi-Key, ComponentLink1URL=http://www.ecsxtal.com/store/pdf/ecx-32.pdf?src-supplier=Digi-Key, ComponentLink2Description=https://ecsxtal.com/store/pdf/ecx-32.pdf?src-supplier=Digi-Key, ComponentLink2URL=https://ecsxtal.com/store/pdf/ecx-32.pdf?src-supplier=Digi-Key, ComponentLink3Description=https://datasheet.octopart.com/ECS-250-18-33-JTM-TR-ECS-International-datasheet-17018741.pdf?src-supplier=Electro+Sonic, ComponentLink3URL=https://datasheet.octopart.com/ECS-250-18-33-JTM-TR-ECS-International-datasheet-17018741.pdf?src-supplier=Electro+Sonic, Manufacturer Part Number=ECS-250-18-33-JTM-TR, Pricing 1="1=0.47, 10=0.39, 50=0.3512, 100=0.3122, 500=0.29654 (USD)", RoHS=Yes, Stock 1=49724, Supplier 1=Digi-Key
Y3: library part CRYSTAL_SUZHOU_27MHz_XC32M4-27.000-F18NLDTK, "27 MHz ±20ppm Crystal 18pF 40 Ohms 4-SMD, No Lead", Frequency=27MHz, Manufacturer="Suzhou Hangjing Elec&Tech Co.,Ltd", Supplier Part Number 1=4309-XC32M4-27.000-F18NLDTKCS-ND, Manufacturer Part Number=XC32M4-27.000-F18NLDTK, RoHS=Yes, Supplier 1=Digi-Key

## Nets (pads, with @x,y where several pads share a name; then routed paths per layer and width w, separated by ;. In a path a pad name is that pad's centre, name@x,y a point inside that pad or via, vN(x,y) a via of type N, cw(c..) or ccw(c..) an arc to the next point about the centre after c; other vN are vias at no path point)
BB_CON_CAM1_CLK_N: U7.A22
BB_CON_CAM1_CLK_P: U7.B22
BB_CON_CAM1_D0_N: U7.A23
BB_CON_CAM1_D0_P: U7.B23
BB_CON_CAM1_D1_N: U7.C22
BB_CON_CAM1_D1_P: U7.D22
BB_CON_CAM1_D2_N: U7.B24
BB_CON_CAM1_D2_P: U7.C23
BB_CON_CAM1_D3_N: U7.C21
BB_CON_CAM1_D3_P: U7.D21
BB_CON_CAM2_CLK_N: U7.A19
BB_CON_CAM2_CLK_P: U7.B19
BB_CON_CAM2_D0_N: U7.C20
BB_CON_CAM2_D0_P: U7.D20
BB_CON_CAM2_D1_N: U7.A20
BB_CON_CAM2_D1_P: U7.B20
BB_CON_CAM2_D2_N: U7.A21
BB_CON_CAM2_D2_P: U7.B21
BB_CON_CAM2_D3_N: U7.C19
BB_CON_CAM2_D3_P: U7.D19
BB_CON_HDMI0_CEC_DYN: U7.W3
BB_CON_HDMI0_CLK_N: U7.R1
BB_CON_HDMI0_CLK_P: U7.R2
BB_CON_HDMI0_HPD_DYN: U7.W2
BB_CON_HDMI0_SCL_DYN: U7.R3
BB_CON_HDMI0_SDA_DYN: U7.P3
BB_CON_HDMI0_TX0_N: U7.T2
BB_CON_HDMI0_TX0_P: U7.T1
BB_CON_HDMI0_TX1_N: U7.U1
BB_CON_HDMI0_TX1_P: U7.U2
BB_CON_HDMI0_TX2_N: U7.N1
BB_CON_HDMI0_TX2_P: U7.N2
BB_CON_HDMI0_TX3_N: U7.M2
BB_CON_HDMI0_TX3_P: U7.M1
BOOT_MODE0: R161.1 R163.2 SW3.2 TP52.1 U7.W6 U15.3
BOOT_MODE1: R157.1 R159.1 SW3.1 TP53.1 U7.V6 U15.6
BT_PCM_CLK: U9.9 U13.9
BT_PCM_IN: U9.8 U13.11
BT_PCM_OUT: U9.10 U13.10
BT_PCM_SYNC: U9.7 U13.7
BT_UART_CTS_N: U7.R24 U13.47
BT_UART_RTS_N: U7.T24 U13.48
BT_UART_RXD: U7.T25 U13.46
BT_UART_TXD: U7.R25 U13.49
CLK1_N: R70.1 TP60.1 U7.T23
CLK1_P: R70.2 TP59.1 U7.R23
CLK2_N: R71.1 TP62.1 U7.U22
CLK2_P: R71.2 TP61.1 U7.T22
CM4_GPIO14: R75.1 U7.G3
CM4_GPIO15: R74.1 U7.C4
CONFIG_AUTO: U7.D3 U13.23
CONFIG_HOST_0: U7.G4 U13.12
CONFIG_HOST_1: U7.H4 U13.13
CONN_IO_1: U7.D4
CONN_IO_2: U7.A4
CONN_IO_3: U7.B4
CONN_IO_4: U7.D5
CONN_IO_5: U7.A5
CONN_IO_6: U7.E5
CONN_IO_7: U7.B5
CONN_IO_8: U7.C5
CONN_IO_9: U7.T6